# Altium PCB LimeNet-Micro_2v1.PcbDoc (part 5 of 11)
Units mm, origin at the board's own origin, x right, y up, seen from the top; angles counter-clockwise.
Board outline 75 x 143 mm, 6 copper layers (Top, L2, L3, L4, L5, Bottom), stack 1.583 mm thick; 795 components, 565 nets, 3646 pads, 1420 vias.
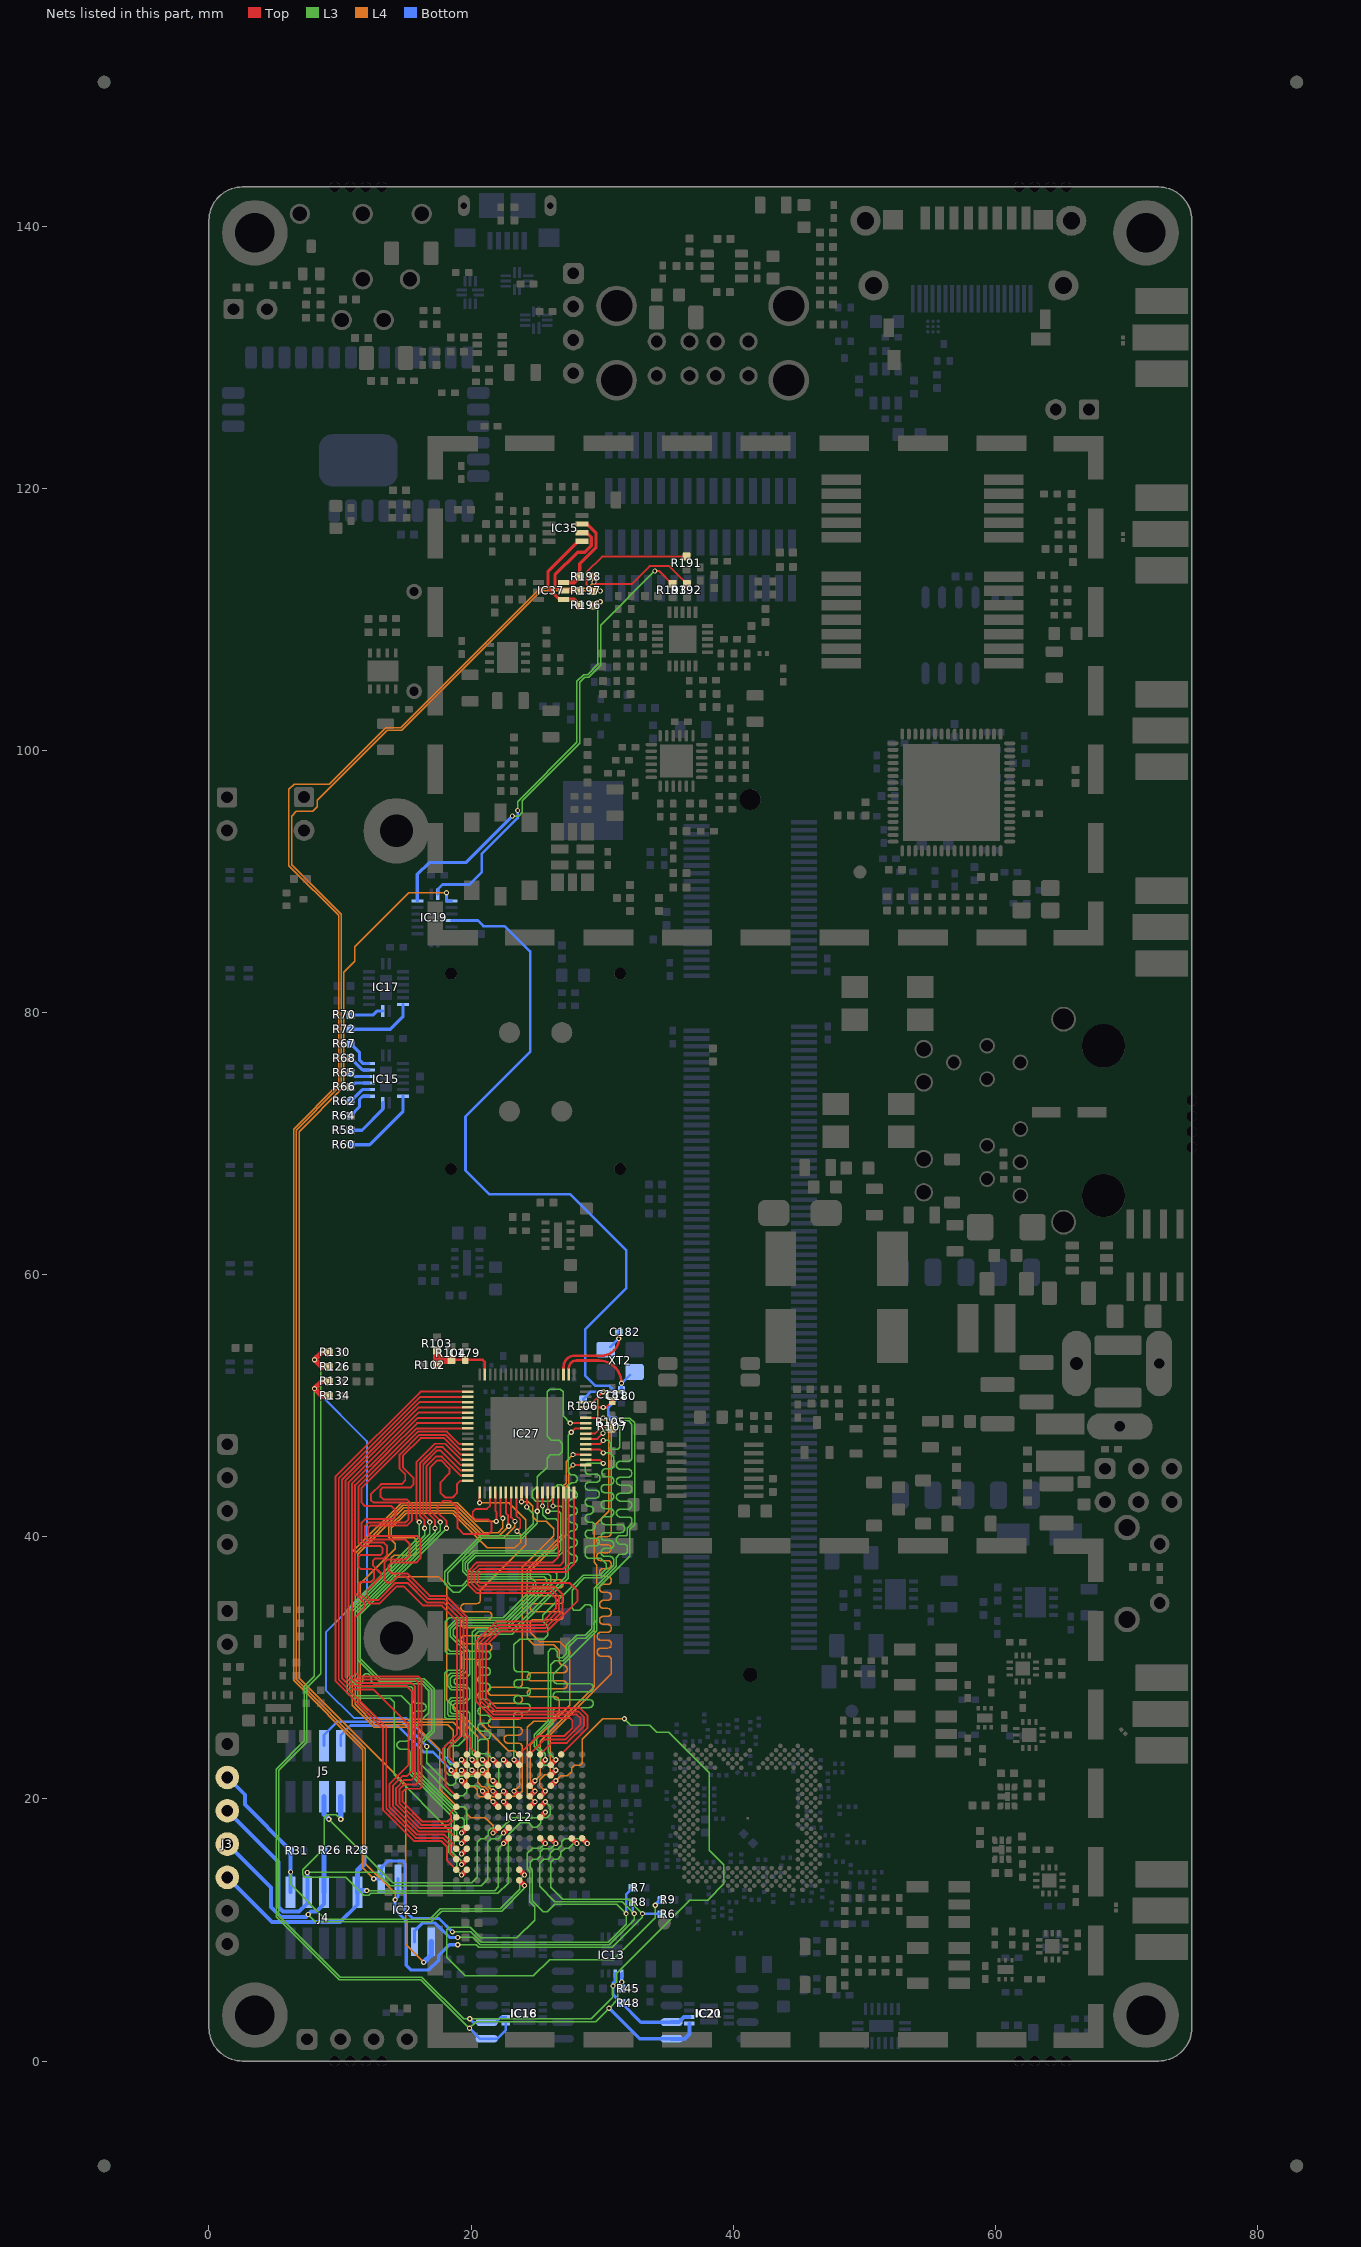
[diagram p9: the nets of this part, all layers, seen from the top]

## Via types
v1: diameter 0.4, hole 0.2, Top to Bottom, tented both sides, 1272 vias
v2: diameter 0.35, hole 0.2, Top to Bottom, tented both sides, 98 vias
v3: diameter 0.5, hole 0.2, Top to Bottom, tented bottom, 25 vias
v4: diameter 0.5, hole 0.2, Top to Bottom, tented both sides, 12 vias
v5: diameter 0.8, hole 0.4, Top to Bottom, tented both sides, 5 vias
v6: diameter 0.4, hole 0.2, Top to Bottom, tented top, 4 vias
v7: diameter 0.4, hole 0.2, Top to Bottom, tented bottom, 4 vias

## Nets (pads, with @x,y where several pads share a name; then routed paths per layer and width w, separated by ;. In a path a pad name is that pad's centre, name@x,y a point inside that pad or via, vN(x,y) a via of type N, cw(c..) or ccw(c..) an arc to the next point about the centre after c; other vN are vias at no path point) (continued)
FPGA_GPIO4: IC12.D11 J5.5 | length 17.3
  Top w0.4: v1(20.872,22.194) IC12.D11@21.272,21.794
  L3 w0.1: v1(16.625,24) 16.625,22.746 18.327,21.044 18.617,21.044 18.822,21.249 18.822,21.447 19.05,21.675 19.058,21.675 19.127,21.744 20.422,21.744 v1(20.872,22.194)
  Bottom w0.2: J5.5@8.775,24.072 8.775,24.875 9.8,25.9 14.725,25.9 v1(16.625,24) v1@16.675,23.95
FPGA_GPIO5: IC12.J7 J5.6 | length 25
  Top w0.4: IC12.J7@25.272,18.594 v1(25.672,18.994)
  L3 w0.1: v1(9.15,18.45) 9.15,18.442 14.009,13.583 20.05,13.583 20.475,14.008 20.475,16.692 20.727,16.944 21.05,16.944 21.322,17.216 21.322,17.539 21.527,17.744 22.31,17.744 23.141,18.575 25.253,18.575 v1(25.672,18.994)
  Bottom w0.4: J5.6@8.775,20.172 8.775,18.825 v1(9.15,18.45)
FPGA_GPIO6: IC12.A11 J5.7 | length 11.5
  Top w0.4: v1(18.472,22.194) IC12.A11@18.872,21.794
  Bottom w0.2: J5.7@10.05,24.072 10.05,24.85 10.8,25.6 14.369,25.6 16.394,23.575 17.091,23.575 v1(18.472,22.194)
FPGA_GPIO7: IC12.J8 J5.8 | length 34.6
  Top w0.4: IC12.J8@25.272,19.394 v1(25.672,19.794)
  L3 w0.1: v1(10.05,18.45) 9.7,18.8 9.005,18.8 8.8,18.595 8.8,16.25 7.15,14.6 7.15,14.208 7.32,14.038 10.437,14.038 11.825,12.65 12.2,12.65 12.35,12.8 22.042,12.8 22.822,13.58 22.822,17.249 23.737,18.164 24.386,18.164 24.706,17.844 25.017,17.844 25.322,18.149 25.322,18.339 25.527,18.544 25.769,18.544 26.05,18.825 26.05,19.416 v1(25.672,19.794)
  Bottom w0.4: v1(10.05,18.45) J5.8@10.05,20.172
FPGA_I2C_SCL: IC12.K10 IC13.2 IC16.6 IC18.6 IC20.6 IC21.6 R48.2 R126.1 R130.1 | length 126.6
  Top w0.4: R126.1@9.15,52.964 8.606,52.964 v1(8.05,53.519) 8.606,54.075 R130.1@9.15,54.075 ; IC12.K10@26.072,20.994 v1(26.472,21.394)
  L3 w0.1: v1(8.05,53.519) 8.519,53.05 8.519,29.544 7.475,28.5 7.475,24.325 5.325,22.175 5.325,11.083 10.008,6.4 16.25,6.4 19.435,3.215 v1(19.89,3.215) 29.157,3.215 30.825,4.883 v1(30.825,5.725) 31.1,6 31.1,6.683 36.692,12.275 38.042,12.275 39.275,13.508 39.275,14.992 38.175,16.092 38.175,22 35.1,25.075 34.175,25.075 33.625,25.625 32.2,25.625 v1(31.7,26.125)
  L4 w0.1: v1(26.472,21.394) 26.828,21.75 27.35,21.75 27.675,22.075 27.675,22.375 27.875,22.575 28.325,22.575 28.475,22.725 28.475,24.55 30.05,26.125 v1(31.7,26.125)
  Bottom w0.2: v1(19.89,3.215) 20.14,2.965 IC18.6@21.2,2.965 21.89,2.965 22.275,3.35 IC16.6@22.65,3.35
  Bottom w0.25: IC13.2@31,6.675 31,6.1 30.825,5.925 v1(30.825,5.725) 30.825,5.1 R48.2@31.5,4.425 32.96,2.965 IC21.6@35.3,2.965
  Bottom w0.3: IC21.6@35.3,2.965 35.861,2.965 36.246,3.35 IC20.6@36.65,3.35
FPGA_I2C_SDA: IC12.B10 IC13.1 IC16.5 IC18.5 IC20.5 IC21.5 R45.2 R132.1 R134.1 | length 129.3
  Top w0.4: R134.1@9.15,50.753 8.606,50.753 v1(8.05,51.308) 8.606,51.864 R132.1@9.15,51.864 ; v1(19.272,21.394) IC12.B10@19.672,20.994
  L3 w0.1: v1(8.05,51.308) 8.05,29.367 7.275,28.592 7.275,24.425 5.125,22.275 5.125,11 9.925,6.2 16.167,6.2 19.867,2.5 v1(19.875,2.5) 20.375,3 29.493,3 v1(30.525,4.032) 31.2,4.707 31.2,5.4 31.5,5.7 v1(31.5,6.025)
  Bottom w0.15: v1(8.05,51.308) 12.05,47.308 12.05,35.855 8.925,32.73 8.925,28.306 11.056,26.175 15.058,26.175 17.014,24.219 17.028,24.219 18.872,22.375 18.872,21.794 v1(19.272,21.394)
  Bottom w0.2: v1(19.875,2.5) 20.68,1.695 IC18.5@21.2,1.695 21.97,1.695 22.65,2.375 IC16.5@22.65,2.85
  Bottom w0.25: v1(30.525,4.032) 32.862,1.695 IC21.5@35.3,1.695 ; R45.2@31.5,5.525 v1(31.5,6.025) IC13.1@31.5,6.675
  Bottom w0.3: IC21.5@35.3,1.695 36.3,1.695 36.65,2.045 IC20.5@36.65,2.85
FPGA_JTAG_TCK: IC12.G2 J3.2 J4.1 R31.1 | length 33.1
  Top w0.4: IC12.G2@23.672,14.594 v1(24.072,14.194)
  L3 w0.1: v1(6.225,14.425) 6.225,13.475 8.875,10.825 16.859,10.825 17.542,11.508 17.659,11.625 22.242,11.625 23.722,13.105 23.722,13.844 v1(24.072,14.194)
  Bottom w0.3: J3.2@1.4,21.636 1.418,21.636 2.735,20.319 2.735,19.565 6.225,16.075 J4.1@6.225,12.878
FPGA_JTAG_TDI: IC12.F5 J3.5 J4.9 R28.1 | length 31.2
  Top w0.4: v1(22.472,16.594) IC12.F5@22.872,16.994
  L3 w0.1: v1(12.032,13.003) 21.803,13.003 22.078,13.278 22.078,16.2 v1(22.472,16.594)
  Bottom w0.3: J3.5@1.4,14.007 4.808,10.599 9.999,10.599 11.325,11.925 J4.9@11.325,12.878
  Bottom w0.4: J4.9@11.325,12.878 J4.9@11.325,13.003 ; R28.1@11.825,16.094 11.825,15.025 11.325,14.525 J4.9@11.325,13.003 ; v1(12.032,13.003) J4.9@11.325,13.003
FPGA_JTAG_TDO: IC12.F6 J3.3 J4.3 | length 33.2
  Top w0.4: v1(22.472,17.394) IC12.F6@22.872,17.794
  L3 w0.1: v1(7.5,14.388) 12.801,14.388 13.813,13.375 20.792,13.375 21.275,13.858 21.275,16.7 21.55,16.975 22.053,16.975 v1(22.472,17.394)
  Bottom w0.3: J3.3@1.4,19.093 5.3,15.193 5.3,11.75 5.651,11.399 6.874,11.399 7.5,12.025 J4.3@7.5,12.878 v1(7.5,14.388)
FPGA_JTAG_TMS: IC12.G1 J3.4 J4.5 R26.1 | length 33.7
  Top w0.2: IC12.G1@23.6,13.722 IC12.G1@23.672,13.794
  Top w0.4: IC12.G1@23.672,13.794 v1(24.072,13.394)
  L3 w0.1: v1(7.575,11.175) 8.125,10.625 16.942,10.625 17.742,11.425 22.325,11.425 24.072,13.172 v1(24.072,13.394)
  Bottom w0.3: J3.4@1.4,16.55 4.725,13.225 4.725,11.759 5.485,10.999 7.399,10.999 v1(7.575,11.175) 7.799,11.399 8.2,11.399 8.775,11.974 J4.5@8.775,12.878
  Bottom w0.4: J4.5@8.775,12.878 R26.1@8.775,16.094
FPGA_LED1_G: IC15.1 R58.2 | length 3.6
  Bottom w0.25: R58.2@10.8,71.025 11.675,71.025 13.259,72.609 IC15.1@13.259,73.125
FPGA_LED1_R: IC15.15 R60.2 | length 6.2
  Bottom w0.25: R60.2@10.8,69.925 12.25,69.925 14.809,72.484 IC15.15@14.809,73.625
FPGA_LED2_G: IC15.3 R62.2 | length 1.8
  Bottom w0.25: R62.2@10.808,73.225 11.708,74.125 IC15.3@12.209,74.125
FPGA_LED2_R: IC15.2 R64.2 | length 2.4
  Bottom w0.25: R64.2@10.8,72.125 11.484,72.809 11.484,73.375 11.734,73.625 IC15.2@12.209,73.625
FPGA_LED3_G: IC15.5 R65.2 | length 1.5
  Bottom w0.25: R65.2@10.808,75.425 11.108,75.125 IC15.5@12.209,75.125
FPGA_LED3_R: IC15.4 R66.2 | length 1.5
  Bottom w0.25: R66.2@10.808,74.325 11.108,74.625 IC15.4@12.209,74.625
FPGA_LED4_G: IC15.7 R67.2 | length 2.4
  Bottom w0.25: R67.2@10.808,77.625 11.492,76.941 11.492,76.375 11.742,76.125 IC15.7@12.217,76.125
FPGA_LED4_R: IC15.6 R68.2 | length 1.8
  Bottom w0.25: R68.2@10.805,76.525 11.705,75.625 IC15.6@12.209,75.625
FPGA_LED5_G: IC17.1 R70.2 | length 2.6
  Bottom w0.25: R70.2@10.808,79.825 12.55,79.825 12.85,80.125 IC17.1@13.258,80.125
FPGA_LED5_R: IC17.15 R72.2 | length 5.3
  Bottom w0.25: R72.2@10.808,78.725 13.825,78.725 14.808,79.708 IC17.15@14.808,80.625
FPGA_SPI_ADF_SS: IC19.15 R193.1 | length 36.5
  Top w0.15: v1(34.025,113.7) 34.338,113.7 35.338,112.7 R193.1@35.363,112.725
  L3 w0.1: v1(23.15,95) 23.62,95 23.9,95.28 23.9,96.169 28.275,100.544 28.275,105.192 28.683,105.6 28.978,105.6 29.875,106.497 29.875,109.55 v1(34.025,113.7)
  Bottom w0.25: IC19.15@15.9,88.525 15.9,90.55 16.8,91.45 19.6,91.45 v1(23.15,95)
FPGA_SPI_DAC_SS: IC19.1 R196.2 | length 29.5
  Top w0.15: R196.2@29.3,111.075 29.575,111.35 v1(29.85,111.35)
  L3 w0.1: v1(23.55,95.425) 23.55,96.101 28.075,100.626 28.075,105.275 28.6,105.8 28.895,105.8 29.675,106.58 29.675,111.175 v1(29.85,111.35)
  Bottom w0.2: IC19.1@17.45,89.025 17.45,89.4 17.825,89.775 19.875,89.775 20.8,90.7 20.8,92.084 23.55,94.834 v1(23.55,95.425)
FPGA_SPI_DAC_SS_R: IC35.5 IC37.1 R196.1 | length 7.8
  Top w0.25: IC37.1@27.05,111.525 26.725,111.525 25.875,112.375 25.875,113.675 28.175,115.975 IC35.5@28.45,115.975
  Top w0.3: IC37.1@27.05,111.525 27.85,111.525 R196.1@28.3,111.075
FPGA_SPI_FLASH_SS: IC19.2 IC23.1 | length 94.7
  L4 w0.1: v1(16.375,7.525) 15,8.9 15,21.069 6.875,29.194 6.875,70.909 10.3,74.334 10.3,83.068 11.132,83.9 11.132,85.032 15.25,89.15 v1(18.125,89.15)
  Bottom w0.25: v1(18.125,89.15) 18.125,88.525 IC19.2@18.5,88.525
  Bottom w0.4: v1(16.375,7.525) 16.955,8.105 IC23.1@16.955,9.1
FPGA_SPI_LMS_SS: IC12.J5 R9.2 | length 37.3
  Top w0.4: IC12.J5@25.272,16.994 v1(25.672,16.594)
  L3 w0.1: v1(25.672,16.594) 25.611,16.594 25.261,16.244 24.694,16.244 24.3,15.85 24.3,14.654 24.472,14.482 24.472,12.15 24.855,11.768 24.855,10.755 23.5,9.4 20.725,9.4 19.925,10.2 18.3,10.2 18.125,10.025 18.125,7.925 19.555,6.495 24.753,6.495 25.983,7.725 30.841,7.725 34.05,10.934 v1(34.05,11.894)
  Bottom w0.3: v1(34.05,11.894) 34.455,12.299 R9.2@34.532,12.299
FPGA_SPI_MISO: IC12.N5 IC23.2 R8.2 | length 36
  Top w0.4: IC12.N5@28.472,16.994 v1(28.872,16.594)
  L3 w0.1: v1(18.975,9.425) 20.134,9.425 20.684,8.875 30.547,8.875 32.45,10.778 v1(32.45,11.25) 31.55,12.15 26.4,12.15 25.225,13.325 25.225,15.1 25.525,15.4 25.875,15.4 26.05,15.575 26.05,15.867 26.327,16.144 26.619,16.144 26.922,16.447 26.922,16.739 27.158,16.975 28.491,16.975 v1(28.872,16.594)
  Bottom w0.2: R8.2@32.331,12.105 32.331,11.369 v1(32.45,11.25)
  Bottom w0.25: IC23.2@15.685,9.1 15.685,9.932 16.278,10.525 17.275,10.525 18.375,9.425 v1(18.975,9.425)
FPGA_SPI_MOSI: IC12.K5 IC23.5 R7.2 R192.1 R198.2 | length 170.2
  Top w0.15: R198.2@29.3,113.275 29.3,112.925 v1(29.375,112.85) 29.525,112.7 32.254,112.7 33.629,114.075 35.113,114.075 R192.1@36.463,112.725 R192.1@36.563,112.725
  Top w0.4: IC12.K5@26.072,16.994 v1(26.472,16.594)
  L3 w0.1: v1(18.576,9.85) 19.992,9.85 20.767,9.075 30.464,9.075 31.825,10.436 v1(31.825,11.25) 31.125,11.95 26.375,11.95 25.825,11.4 25.505,11.4 24.672,12.233 24.672,14.565 24.5,14.736 24.5,15.175 24.725,15.4 25.05,15.4 25.275,15.625 25.275,15.975 25.5,16.2 26.078,16.2 v1(26.472,16.594)
  L4 w0.1: v1(12.575,13.9) 11.735,14.74 11.735,23.758 6.45,29.042 6.45,71.108 9.9,74.558 9.9,87.417 6.1,91.217 6.1,97.034 6.491,97.425 9.175,97.425 13.5,101.75 14.642,101.75 25.267,112.375 28.9,112.375 v1(29.375,112.85)
  Bottom w0.2: v1(31.825,11.25) 31.825,12.722 R7.2@32.322,13.219
  Bottom w0.25: v1(12.575,13.9) IC23.5@13.145,13.9 13.145,14.743 13.669,15.267 14.775,15.267 14.975,15.067 14.975,11.434 15.534,10.875 17.551,10.875 v1(18.576,9.85)
FPGA_SPI_MOSI_R: IC35.7 IC37.3 R198.1 | length 6.6
  Top w0.25: R198.1@28.3,113.275 28.3,114.255 29.525,115.48 29.525,116.62 28.87,117.275 IC35.7@28.45,117.275
  Top w0.3: IC37.3@27.05,112.825 27.85,112.825 R198.1@28.3,113.275
FPGA_SPI_SCLK: IC12.M5 IC23.6 R6.2 R191.1 R197.2 | length 172.2
  Top w0.15: v1@29.9,112.225 v1(29.85,112.175) R197.2@29.3,112.175 28.8,112.675 28.8,113.6 30,114.8 R191.1@36.45,114.8
  Top w0.4: IC12.M5@27.672,16.994 v1(28.072,16.594)
  L3 w0.1: v1(18.975,8.875) 20.401,8.875 20.601,8.675 30.775,8.675 33.075,10.975 v1(33.075,11.25) 31.975,12.35 26.975,12.35 26.075,13.25 26.075,15.175 26.3,15.4 26.595,15.4 26.85,15.655 26.85,15.925 27.169,16.244 27.444,16.244 27.794,16.594 v1(28.072,16.594)
  L4 w0.1: v1(14.2,12.299) 14.2,12.8 11.935,15.065 11.935,23.84 6.65,29.125 6.65,71.025 9.763,74.137 10.1,74.475 10.1,87.5 6.3,91.3 6.3,95 6.675,95.375 7.9,95.375 8.25,95.725 8.25,96.2 13.6,101.55 14.725,101.55 25.35,112.175 v1(29.85,112.175)
  Bottom w0.2: v1(33.075,11.25) 34.481,11.25 R6.2@34.532,11.199
  Bottom w0.25: IC23.6@14.415,13.9 14.415,12.514 v1(14.2,12.299) 14.2,11.534 15.05,10.684 15.05,7.3 15.4,6.95 16.775,6.95 17.525,7.7 17.525,8.05 18.35,8.875 v1(18.975,8.875)
FPGA_SPI_SCLK_R: IC35.6 IC37.2 R197.1 | length 8.1
  Top w0.25: IC37.2@27.05,112.175 26.75,112.175 26.4,112.525 26.4,113.4 28.125,115.125 28.675,115.125 29.175,115.625 29.175,116.268 28.818,116.625 IC35.6@28.45,116.625
  Top w0.3: IC37.2@27.05,112.175 R197.1@28.3,112.175
FT_BE0: IC12.H9 IC27.4 | length 45
  Top w0.15: v1(27.775,45.475) IC27.4@28.75,45.475
  Top w0.4: IC12.H9@24.472,20.194 v1(24.872,20.594)
  L4 w0.1: v1(24.872,20.594) 24.5,20.966 24.5,24.117 27.525,27.142 27.525,31.225 26.775,31.975 25.225,31.975 24.5,32.7 24.5,33 24.5,33.073 24.5,33.377 cw(c24.804,33.377) 24.804,33.681 26.736,33.681 ccw(c26.736,33.985) 27.04,33.985 ccw(c26.736,33.985) 26.736,34.289 24.804,34.289 cw(c24.804,34.593) 24.5,34.593 cw(c24.804,34.593) 24.804,34.897 26.736,34.897 ccw(c26.736,35.201) 27.04,35.201 ccw(c26.736,35.201) 26.736,35.505 24.804,35.505 cw(c24.804,35.809) 24.5,35.809 cw(c24.804,35.809) 24.804,36.113 26.736,36.113 ccw(c26.736,36.417) 27.04,36.417 ccw(c26.736,36.417) 26.736,36.721 24.804,36.721 cw(c24.804,37.025) 24.5,37.025 24.5,37.409 27.228,40.137 27.228,43.799 27.446,44.017 27.446,45.146 v1(27.775,45.475)
FT_BE1: IC12.G12 IC27.5 | length 44.9
  Top w0.15: IC27.5@28.75,45.875 29.8,45.875 v1(30.075,45.6)
  Top w0.4: v1(23.272,22.994) IC12.G12@23.672,22.594
  L3 w0.1: v1(23.272,22.994) 23.272,25.75 23.272,26.054 23.272,26.358 cw(c23.576,26.358) 23.576,26.662 24.221,26.662 ccw(c24.221,26.966) 24.525,26.966 ccw(c24.221,26.966) 24.221,27.27 23.576,27.27 cw(c23.576,27.574) 23.272,27.574 cw(c23.576,27.574) 23.576,27.878 24.221,27.878 ccw(c24.221,28.182) 24.525,28.182 ccw(c24.221,28.182) 24.221,28.486 23.576,28.486 cw(c23.576,28.79) 23.272,28.79 cw(c23.576,28.79) 23.576,29.094 24.221,29.094 ccw(c24.221,29.398) 24.525,29.398 ccw(c24.221,29.398) 24.221,29.702 23.576,29.702 cw(c23.576,30.006) 23.272,30.006 23.272,30.025 23.272,31.747 23.7,32.175 25.55,32.175 25.858,32.483 25.858,33.175 25.481,33.552 25.481,33.998 28.558,37.075 29.812,37.075 30.3,37.563 30.3,37.947 29.897,38.35 28.916,38.35 28.7,38.566 28.7,38.995 cw(c29.004,38.995) 29.004,39.299 29.479,39.299 ccw(c29.479,39.603) 29.783,39.603 ccw(c29.479,39.603) 29.479,39.907 29.004,39.907 cw(c29.004,40.211) 28.7,40.211 cw(c29.004,40.211) 29.004,40.515 29.157,40.515 ccw(c29.157,40.819) 29.461,40.819 ccw(c29.157,40.819) 29.157,41.123 29.004,41.123 cw(c29.004,41.427) 28.7,41.427 cw(c29.004,41.427) 29.004,41.731 29.037,41.731 ccw(c29.037,42.035) 29.341,42.035 ccw(c29.037,42.035) 29.037,42.339 29.004,42.339 cw(c29.004,42.643) 28.7,42.643 cw(c29.004,42.643) 29.004,42.947 29.479,42.947 ccw(c29.479,43.251) 29.783,43.251 ccw(c29.479,43.251) 29.479,43.555 29.004,43.555 cw(c29.004,43.859) 28.7,43.859 cw(c29.004,43.859) 29.004,44.163 29.535,44.163 ccw(c29.535,44.467) 29.839,44.467 ccw(c29.535,44.467) 29.535,44.771 29.004,44.771 cw(c29.004,45.075) 28.7,45.075 28.7,45.425 28.875,45.6 v1(30.075,45.6)
FT_BE2: IC12.H8 IC27.6 | length 44.1
  Top w0.15: v1(27.775,46.275) IC27.6@28.75,46.275
  Top w0.4: IC12.H8@24.472,19.394 v1(24.872,19.794)
  L4 w0.1: v1(24.872,19.794) 24.3,20.366 24.3,25.45 24.775,25.925 26.025,25.925 26.718,26.618 26.718,27.225 26.718,27.485 ccw(c26.414,27.485) 26.414,27.789 24.604,27.789 cw(c24.604,28.093) 24.3,28.093 cw(c24.604,28.093) 24.604,28.397 26.718,28.397 27.021,28.397 ccw(c27.021,28.701) 27.325,28.701 ccw(c27.021,28.701) 27.021,29.005 26.718,29.005 24.604,29.005 cw(c24.604,29.309) 24.3,29.309 cw(c24.604,29.309) 24.604,29.613 26.718,29.613 27.021,29.613 ccw(c27.021,29.917) 27.325,29.917 ccw(c27.021,29.917) 27.021,30.221 cw(c27.021,30.525) 26.718,30.525 ; 26.718,30.525 26.718,31.35 26.293,31.775 24.775,31.775 24.3,32.25 24.3,37.492 27.028,40.22 27.028,43.882 27.246,44.1 27.246,45.746 v1(27.775,46.275)
FT_BE3: IC12.K11 IC27.7 | length 45.8
  Top w0.15: IC27.7@28.75,46.675 29.8,46.675 v1(30.075,46.4)
  Top w0.4: IC12.K11@26.072,21.794 v1(26.472,22.194)
  L3 w0.1: v1(26.472,22.194) 26.091,22.575 25.596,22.575 25.322,22.849 25.322,23.503 24.8,24.025 24.8,24.883 25.872,25.955 25.872,31.247 26.075,31.45 26.372,31.45 26.575,31.247 26.575,30.859 26.675,30.759 26.968,30.759 27.267,31.058 27.267,31.709 28.058,32.5 28.709,32.5 29.204,32.995 29.204,34.675 29.054,34.825 28.697,34.825 28.272,34.4 27.833,34.4 27.7,34.533 27.7,35.934 28.641,36.875 29.923,36.875 30.35,37.302 30.883,37.834 30.883,38.2 ccw(c30.579,38.2) 30.579,38.504 30.223,38.504 cw(c30.223,38.808) 29.919,38.808 cw(c30.223,38.808) 30.223,39.112 30.579,39.112 ccw(c30.579,39.416) 30.883,39.416 ccw(c30.579,39.416) 30.579,39.72 30.223,39.72 cw(c30.223,40.024) 29.919,40.024 cw(c30.223,40.024) 30.223,40.328 30.883,40.328 31.421,40.328 ccw(c31.421,40.632) 31.725,40.632 ccw(c31.421,40.632) 31.421,40.936 30.883,40.936 30.223,40.936 cw(c30.223,41.24) 29.919,41.24 cw(c30.223,41.24) 30.223,41.544 30.579,41.544 ccw(c30.579,41.848) 30.883,41.848 ccw(c30.579,41.848) 30.579,42.152 30.223,42.152 cw(c30.223,42.456) 29.919,42.456 cw(c30.223,42.456) 30.223,42.76 30.579,42.76 ccw(c30.579,43.064) 30.883,43.064 ccw(c30.579,43.064) 30.579,43.368 30.223,43.368 cw(c30.223,43.672) 29.919,43.672 cw(c30.223,43.672) 30.223,43.976 30.579,43.976 ccw(c30.579,44.28) 30.883,44.28 ccw(c30.579,44.28) 30.579,44.584 30.279,44.584 cw(c30.279,44.888) 29.975,44.888 cw(c30.279,44.888) 30.279,45.192 30.579,45.192 ccw(c30.579,45.496) 30.883,45.496 30.883,45.675 30.883,46.092 30.575,46.4 v1(30.075,46.4)
FT_CLK: IC12.G9 IC27.58 | length 44.2
  Top w0.15: v1(20.65,42.6) IC27.58@20.65,43.375
  Top w0.4: v1(23.272,20.594) IC12.G9@23.672,20.194
  L4 w0.1: v1(20.65,42.6) 22.875,42.6 24.175,41.3 24.175,39.4 20.7,35.925 20.7,35.201 cw(c20.396,35.201) 20.396,34.897 19.525,34.897 ccw(c19.525,34.593) 19.221,34.593 ccw(c19.525,34.593) 19.525,34.289 20.7,34.289 21.271,34.289 cw(c21.271,33.985) 21.575,33.985 cw(c21.271,33.985) 21.271,33.681 20.7,33.681 19.525,33.681 ccw(c19.525,33.377) 19.221,33.377 ccw(c19.525,33.377) 19.525,33.073 20.7,33.073 21.271,33.073 cw(c21.271,32.769) 21.575,32.769 cw(c21.271,32.769) 21.271,32.465 20.7,32.465 19.525,32.465 ccw(c19.525,32.161) 19.221,32.161 ccw(c19.525,32.161) 19.525,31.857 20.7,31.857 21.271,31.857 cw(c21.271,31.553) 21.575,31.553 cw(c21.271,31.553) 21.271,31.249 20.7,31.249 19.525,31.249 ccw(c19.525,30.945) 19.221,30.945 ccw(c19.525,30.945) 19.525,30.641 20.396,30.641 cw(c20.396,30.337) 20.7,30.337 20.7,30.15 20.7,25.825 22.85,23.675 23.325,23.675 23.7,23.3 23.7,21.022 v1(23.272,20.594)
FT_D0: IC12.A2 IC27.40 | length 47.8
  Top w0.15: IC12.A2@18.872,14.594 18.15,15.316 18.15,16.368 17.743,16.775 15.665,16.775 13.275,19.165 13.275,25.375 9.65,29 9.65,44.571 16.154,51.075 IC27.40@19.75,51.075
FT_D1: IC12.A3 IC27.41 | length 46.4
  Top w0.15: IC12.A3@18.872,15.394 18.4,15.866 18.4,16.471 17.846,17.025 15.769,17.025 13.525,19.269 13.525,25.479 9.9,29.104 9.9,44.468 16.107,50.675 IC27.41@19.75,50.675
FT_D2: IC12.A4 IC27.42 | length 47.1
  Top w0.15: IC12.A4@18.872,16.194 18.65,16.416 18.65,16.575 17.95,17.275 15.872,17.275 13.775,19.372 13.775,21.144 15.225,22.594 15.225,25.65 12.525,28.35 11.011,28.35 10.15,29.211 10.15,44.364 16.061,50.275 IC27.42@19.75,50.275
FT_D3: IC12.A5 IC27.43 | length 47.6
  Top w0.15: IC12.A5@18.872,16.994 18.341,17.525 15.976,17.525 14.025,19.476 14.025,21 14.775,21.75 15.12,21.75 15.475,22.105 15.475,28.225 15.1,28.6 11.114,28.6 10.4,29.314 10.4,44.261 16.014,49.875 IC27.43@19.75,49.875
FT_D4: IC12.A6 IC27.44 | length 46.7
  Top w0.15: IC12.A6@18.872,17.794 18.872,17.775 16.079,17.775 14.275,19.579 14.275,20.829 14.871,21.425 15.416,21.425 15.725,21.734 15.725,28.575 15.45,28.85 11.218,28.85 10.65,29.418 10.65,44.157 15.968,49.475 IC27.44@19.75,49.475
FT_D5: IC12.A7 IC27.45 | length 46.4
  Top w0.15: IC12.A7@18.872,18.594 18.303,18.025 16.183,18.025 14.525,19.683 14.525,20.725 14.9,21.1 15.775,21.1 15.975,21.3 15.975,28.854 15.729,29.1 11.321,29.1 10.9,29.521 10.9,43.211 10.9,44.039 13.55,46.689 13.55,46.704 15.921,49.075 IC27.45@19.75,49.075
FT_D6: IC12.A8 IC27.46 | length 46.7
  Top w0.15: IC12.A8@18.872,19.394 18.447,18.969 18.447,18.522 18.2,18.275 16.286,18.275 14.775,19.786 14.775,20.55 15,20.775 16.073,20.775 16.225,20.927 16.225,29.075 15.95,29.35 11.425,29.35 11.15,29.625 11.15,33.85 11.85,34.55 11.85,34.975 11.15,35.675 11.15,43.107 11.15,43.936 13.8,46.586 13.8,46.6 15.875,48.675 IC27.46@19.75,48.675
FT_D7: IC12.A9 IC27.47 | length 47.1
  Top w0.15: IC12.A9@18.872,20.194 18.05,21.016 18.05,22.725 17.841,22.934 17.841,23.821 18.922,24.902 18.922,33.603 17.775,34.75 16.35,34.75 14.875,36.225 14.325,36.225 13.025,34.925 12.254,34.925 11.4,35.779 11.4,36.375 11.575,36.55 12.35,36.55 12.575,36.775 12.575,37.35 12.375,37.55 11.575,37.55 11.4,37.725 11.4,38.425 11.575,38.6 13.075,38.6 13.225,38.75 13.225,39.15 13.075,39.3 11.65,39.3 11.4,39.55 11.4,43.832 15.843,48.275 IC27.47@19.75,48.275
FT_D8: IC12.A12 IC27.50 | length 46.9
  Top w0.15: IC12.A12@18.872,22.594 18.872,22.643 18.341,23.174 18.341,23.967 19.172,24.799 19.172,33.707 17.879,35 16.633,35 15.158,36.475 14.221,36.475 12.921,35.175 12.357,35.175 12.075,35.457 12.075,35.921 13.125,36.971 13.125,37.2 12.5,37.825 12.5,38.175 12.675,38.35 13.35,38.35 13.575,38.575 13.575,39.325 13.35,39.55 11.81,39.55 11.65,39.71 11.65,41.075 11.925,41.35 13.975,41.35 14.221,41.596 14.221,42.05 13.921,42.35 11.9,42.35 11.65,42.6 11.65,43.729 15.946,48.025 18.15,48.025 19.1,47.075 IC27.50@19.75,47.075
FT_D9: IC12.B13 IC27.51 | length 46.5
  Top w0.15: IC12.B13@19.672,23.394 19.672,24.525 19.422,24.775 19.422,33.81 17.982,35.25 16.736,35.25 15.032,36.954 14.347,36.954 13.893,36.5 13.589,36.5 13.4,36.689 13.4,38.046 13.629,38.275 15.025,38.275 15.3,38.55 15.3,39.457 14.957,39.8 12.075,39.8 11.9,39.975 11.9,40.8 12.2,41.1 14.995,41.1 15.225,41.33 15.225,42.375 15,42.6 12.557,42.6 12.357,42.8 12.357,43.254 13.129,44.025 14.7,44.025 14.975,44.3 14.975,44.775 14.55,45.2 14.55,46.275 16.05,47.775 18.046,47.775 19.146,46.675 IC27.51@19.75,46.675
FT_D10: IC12.C13 IC27.52 | length 46.6
  Top w0.15: IC27.52@19.75,46.275 19.193,46.275 17.943,47.525 16.154,47.525 14.8,46.171 14.8,45.304 15.6,44.504 15.6,43.975 15.4,43.775 13.275,43.775 13.1,43.6 13.1,43.05 13.3,42.85 15.104,42.85 15.475,42.479 15.475,41.227 15.098,40.85 12.304,40.85 12.15,40.696 12.15,40.225 12.325,40.05 15.9,40.05 16.125,39.825 16.125,38.35 15.8,38.025 13.9,38.025 13.7,37.825 13.7,37.425 13.921,37.204 15.136,37.204 16.84,35.5 18.086,35.5 19.672,33.914 19.672,24.879 19.922,24.629 19.922,23.944 IC12.C13@20.472,23.394
FT_D11: IC12.B2 IC27.53 | length 44.7
  Top w0.15: v1(16.05,41.125) 15.85,41.325 15.85,45.725 17.225,47.1 18.014,47.1 19.239,45.875 IC27.53@19.75,45.875
  Top w0.4: v1(19.272,14.194) IC12.B2@19.672,14.594
  L3 w0.1: v1(16.05,41.125) 16.05,39.989 10.55,34.489 10.55,34.05 10.549,34.049 10.549,28.675 10.55,28.674 10.55,28.117 10.992,27.675 13.825,27.675 14.119,27.381 14.119,21.836 18.291,17.664 18.291,15.944 18.922,15.312 18.922,14.544 v1(19.272,14.194)
FT_D12: IC12.B3 IC27.54 | length 45.6
  Top w0.15: v1(16.45,40.65) 16.45,41.255 16.1,41.605 16.1,45.621 17.329,46.85 17.851,46.85 19.226,45.475 IC27.54@19.75,45.475
  Top w0.4: v1(19.272,14.994) IC12.B3@19.672,15.394
  L3 w0.1: v1(16.45,40.65) 16.45,40.106 10.75,34.406 10.75,33.967 10.749,33.966 10.749,29.25 10.75,29.249 10.75,28.2 11.075,27.875 14.675,27.875 15.352,27.198 15.352,26.325 15.352,24.716 cw(c15.048,24.716) 15.048,24.412 14.64,24.412 ccw(c14.64,24.108) 14.336,24.108 ccw(c14.64,24.108) 14.64,23.804 15.048,23.804 cw(c15.048,23.5) 15.352,23.5 15.352,21.875 18.5,18.726 18.5,16.017 19.272,15.245 v1(19.272,14.994)
FT_D13: IC12.B4 IC27.55 | length 44.8
  Top w0.15: v1(16.85,41.125) 16.85,41.209 16.35,41.709 16.35,45.518 17.432,46.6 17.654,46.6 19.179,45.075 IC27.55@19.75,45.075
  Top w0.4: v1(19.272,15.794) IC12.B4@19.672,16.194
  L3 w0.1: v1(16.85,41.125) 16.85,40.224 10.95,34.324 10.95,33.884 10.949,33.883 10.949,29.95 10.95,29.949 10.95,28.992 11.367,28.575 15.439,28.575 15.552,28.462 15.552,27.625 15.552,27.599 ccw(c15.856,27.599) 15.856,27.295 16.264,27.295 cw(c16.264,26.991) 16.568,26.991 cw(c16.264,26.991) 16.264,26.687 15.856,26.687 ccw(c15.856,26.383) 15.552,26.383 15.552,26.079 15.552,25.775 15.552,21.957 18.7,18.809 18.7,16.366 v1(19.272,15.794)
FT_D14: IC12.B5 IC27.56 | length 45.1
  Top w0.15: v1(17.25,40.65) 17.25,41.255 16.6,41.905 16.6,45.414 17.311,46.125 17.776,46.125 19.226,44.675 IC27.56@19.75,44.675
  Top w0.4: v1(19.272,16.594) IC12.B5@19.672,16.994
  L3 w0.1: v1(17.25,40.65) 17.25,40.341 11.15,34.241 11.15,33.801 11.149,33.8 11.149,31.05 11.15,31.048 11.15,29.075 11.45,28.775 11.6,28.775 11.75,28.925 11.75,29.375 11.919,29.544 12.14,29.544 12.375,29.309 12.375,28.975 12.575,28.775 16.266,28.775 16.784,28.257 16.784,26.562 15.752,25.53 15.752,22.04 18.9,18.892 18.9,18.708 19.058,18.55 19.307,18.55 19.475,18.382 19.475,18 19.325,17.85 19.05,17.85 18.9,17.7 18.9,16.966 v1(19.272,16.594)
FT_D15: IC12.B6 IC27.57 | length 45.6
  Top w0.15: v1(17.65,41.125) 17.65,41.209 16.85,42.009 16.85,45.275 17.4,45.825 17.722,45.825 18.349,45.199 18.349,44.838 17.65,44.139 17.65,43.364 18.014,43 18.597,43 18.922,43.325 18.922,44.022 19.175,44.275 IC27.57@19.75,44.275
  Top w0.4: v1(19.272,17.394) IC12.B6@19.672,17.794
  L3 w0.1: v1(17.65,41.125) 17.65,40.458 11.35,34.158 11.35,30.617 12.992,28.975 16.349,28.975 17.001,28.323 17.001,25.251 15.952,24.202 15.952,22.123 18.686,19.389 19.475,19.389 19.675,19.189 19.675,17.797 v1(19.272,17.394)
FT_D16: IC12.D9 IC27.60 | length 45.9
  Top w0.15: v1(18.125,40.65) 18.125,41.18 17.425,41.88 17.425,42.3 17.875,42.75 18.422,42.75 18.975,42.197 18.975,40.675 19.45,40.2 21.325,40.2 21.55,40.425 21.55,41.1 21.325,41.325 20.325,41.325 20.125,41.525 20.125,41.9 20.35,42.125 21.2,42.125 21.45,42.375 IC27.60@21.45,43.375
  Top w0.4: v1(20.872,20.594) IC12.D9@21.272,20.194
  L3 w0.1: v1(18.125,40.65) 11.55,34.075 11.55,30.7 13.075,29.175 16.432,29.175 17.201,28.406 17.201,25.168 16.152,24.119 16.152,22.632 18.541,20.244 19.417,20.244 19.648,20.475 19.65,20.475 19.65,20.75 19.9,21 20.466,21 v1(20.872,20.594)
FT_D17: IC12.E6 IC27.61 | length 44.6
  Top w0.15: IC27.61@21.85,43.375 21.85,41.975 21.925,41.9 v1(21.925,41.175)
  Top w0.4: v1(21.672,17.394) IC12.E6@22.072,17.794
  L4 w0.1: v1(21.672,17.394) 21.672,17.953 21.075,18.55 19.978,18.55 19.622,18.906 19.622,19.178 19.4,19.4 18.95,19.4 17.6,20.75 17.6,23.75 15.884,25.466 12.618,25.466 10.95,27.134 10.95,38.841 14.709,42.6 18.933,42.6 20.358,41.175 v1(21.925,41.175)
FT_D18: IC12.E8 IC27.62 | length 44.5
  Top w0.15: IC27.62@22.25,43.375 22.25,41.6 v1(22.425,41.425)
  Top w0.4: v1(21.672,19.794) IC12.E8@22.072,19.394
  L4 w0.1: v1(21.672,19.794) 21.313,20.153 20.622,20.153 20.475,20.3 20.475,20.713 20.244,20.944 19.927,20.944 19.675,21.196 19.675,21.586 19.464,21.797 19.125,21.797 18.875,22.047 18.875,22.575 18.85,22.6 18.625,22.825 18.625,25.25 18.209,25.666 12.701,25.666 11.15,27.217 11.15,38.758 14.792,42.4 18.85,42.4 20.947,40.303 22.053,40.303 22.425,40.675 v1(22.425,41.425)
FT_D19: IC12.F9 IC27.63 | length 45
  Top w0.15: IC27.63@22.65,43.375 22.65,41.8 22.8,41.65 22.8,40.875 v1(22.875,40.8)
  Top w0.4: v1(22.472,20.594) IC12.F9@22.872,20.194
  L4 w0.1: v1(22.472,20.594) 22.028,20.15 21.621,20.15 21.322,20.449 21.322,20.661 21.039,20.944 20.827,20.944 20.5,21.271 20.5,21.65 20.306,21.844 19.927,21.844 19.722,22.049 19.722,24.778 18.634,25.866 12.784,25.866 11.35,27.3 11.35,38.675 13.525,40.85 14.875,42.2 18.767,42.2 20.892,40.075 22.15,40.075 v1(22.875,40.8)
FT_D20: IC12.E9 IC27.64 | length 44.2
  Top w0.15: IC27.64@23.05,43.375 23.05,41.475 v1(23.35,41.175)
  Top w0.4: v1(21.672,20.594) IC12.E9@22.072,20.194
  L4 w0.1: v1(21.672,20.594) 21.322,20.944 21.322,21.461 21.091,21.692 21.091,21.696 20.943,21.844 20.727,21.844 20.522,22.049 20.522,24.728 19.184,26.066 12.866,26.066 11.55,27.383 11.55,36.425 14.225,39.1 14.225,39.475 13.725,39.975 13.725,40.767 14.958,42 18.684,42 20.809,39.875 22.442,39.875 23.017,40.45 23.02,40.45 23.225,40.655 23.225,40.658 23.35,40.783 v1(23.35,41.175)
FT_D21: IC12.E10 IC27.65 | length 44
  Top w0.15: IC27.65@23.45,43.375 23.45,41.622 23.75,41.322 23.75,40.675 v1(23.5,40.425)
  Top w0.4: v1(21.672,21.394) IC12.E10@22.072,20.994
  L4 w0.1: v1(21.672,21.394) 21.291,21.775 21.291,24.419 18.15,27.559 18.15,36.325 17.521,36.954 14.296,36.954 13.925,37.325 13.925,38.388 14.137,38.6 15.675,38.6 15.825,38.75 15.825,39.75 15.65,39.925 14.075,39.925 13.925,40.075 13.925,40.684 15.041,41.8 18.601,41.8 21.226,39.175 23.35,39.175 23.775,39.6 23.775,40.15 v1(23.5,40.425)
FT_D22: IC12.F8 IC27.66 | length 44.2
  Top w0.15: v1(23.85,42.675) IC27.66@23.85,43.375
  Top w0.4: v1(22.472,19.794) IC12.F8@22.872,19.394
  L4 w0.1: v1(22.472,19.794) 22.872,20.194 23.494,20.194 23.9,20.6 23.9,23.95 ccw(c23.596,23.95) 23.596,24.254 22.816,24.254 cw(c22.816,24.558) 22.512,24.558 cw(c22.816,24.558) 22.816,24.862 23.596,24.862 ccw(c23.596,25.166) 23.9,25.166 ccw(c23.596,25.166) 23.596,25.47 21.6,25.47 cw(c21.6,25.774) 21.296,25.774 cw(c21.6,25.774) 21.6,26.078 23.596,26.078 ccw(c23.596,26.382) 23.9,26.382 ccw(c23.596,26.382) 23.596,26.686 21.59,26.686 cw(c21.59,26.99) 21.286,26.99 cw(c21.59,26.99) 21.59,27.294 23.596,27.294 ccw(c23.596,27.598) 23.9,27.598 ccw(c23.596,27.598) 23.596,27.902 21.59,27.902 cw(c21.59,28.206) 21.286,28.206 cw(c21.59,28.206) 21.59,28.51 23.596,28.51 ccw(c23.596,28.814) 23.9,28.814 23.9,29.15 23.9,37.658 26.325,40.083 26.325,40.6 25.75,41.175 25.05,41.175 24.7,41.525 24.7,42.32 24.345,42.675 v1(23.85,42.675)
FT_D23: IC12.B11 IC27.67 | length 44.8
  Top w0.15: v1(24.25,42.275) IC27.67@24.25,43.375
  Top w0.4: v1(19.272,22.194) IC12.B11@19.672,21.794
  L3 w0.1: v1(19.272,22.194) 18.878,21.8 18.349,21.8 18.001,22.148 18.001,24.001 18.275,24.275 18.77,24.275 19.3,24.805 19.3,25.89 19.087,26.103 18.147,26.103 18.001,26.249 18.001,29.601 18.2,29.8 19.1,29.8 19.275,29.975 19.275,30.9 19.1,31.075 18.225,31.075 18.025,31.275 18.025,33.525 18.325,33.825 22.467,33.825 24.737,36.095 24.737,36.457 24.644,36.55 19.875,36.55 19.1,35.775 18.656,35.775 18.001,36.43 18.001,37.332 20.744,40.075 23.826,40.075 24.75,40.999 24.75,41.755 24.25,42.255 v1(24.25,42.275)
FT_D24: IC12.B12 IC27.69 | length 44.9
  Top w0.15: v1(25.05,41.95) IC27.69@25.05,43.375
  Top w0.4: v1(19.272,22.994) IC12.B12@19.672,22.594
  L3 w0.1: v1(19.272,22.994) 18.895,22.617 18.45,22.617 18.201,22.867 18.201,23.801 18.475,24.075 19.025,24.075 19.5,24.55 19.5,25.973 19.17,26.303 18.344,26.303 18.201,26.446 18.201,27.408 18.493,27.7 19.275,27.7 19.4,27.825 19.4,28.2 19.275,28.325 18.493,28.325 18.201,28.617 18.201,29.351 18.45,29.6 19.183,29.6 19.475,29.892 19.475,31.083 19.283,31.275 18.425,31.275 18.225,31.475 18.225,33.067 18.783,33.625 22.55,33.625 24.937,36.012 24.937,36.54 24.727,36.75 19.792,36.75 19.317,36.275 18.439,36.275 18.201,36.513 18.201,37.249 20.826,39.875 23.909,39.875 25.05,41.016 v1(25.05,41.95)
FT_D25: IC12.C11 IC27.70 | length 45.2
  Top w0.15: v1(25.45,42.35) IC27.70@25.45,43.375
  Top w0.4: v1(20.072,22.194) IC12.C11@20.472,21.794
  L3 w0.1: v1(20.072,22.194) 19.7,22.566 19.7,26.056 19.253,26.503 18.558,26.503 18.401,26.66 18.401,27.325 18.576,27.5 19.45,27.5 19.65,27.7 19.65,28.35 19.475,28.525 18.576,28.525 18.401,28.7 18.401,29.201 18.6,29.4 19.266,29.4 19.7,29.834 19.7,31.141 18.425,32.416 18.425,32.984 18.866,33.425 22.633,33.425 25.775,36.567 25.775,36.75 25.575,36.95 19.784,36.95 19.35,37.384 19.35,38.116 20.184,38.95 26.325,38.95 26.625,39.25 26.625,41.225 26.475,41.375 25.775,41.375 25.45,41.7 v1(25.45,42.35)
FT_D26: IC12.C12 IC27.71 | length 44.6
  Top w0.15: v1(25.85,41.95) IC27.71@25.85,43.375
  Top w0.4: v1(20.072,22.994) IC12.C12@20.472,22.594
  L3 w0.1: v1(20.072,22.994) 19.9,23.166 19.9,26.542 19.739,26.703 18.798,26.703 18.601,26.9 18.601,27.126 18.775,27.3 19.533,27.3 19.9,27.667 19.9,28.383 19.558,28.725 18.872,28.725 18.725,28.872 18.725,29.075 18.85,29.2 19.599,29.2 19.9,29.501 19.9,31.224 18.625,32.499 18.625,32.901 18.949,33.225 22.716,33.225 26.072,36.581 26.072,37.003 25.925,37.15 19.867,37.15 19.55,37.467 19.55,38.033 20.267,38.75 26.617,38.75 26.825,38.958 26.825,41.8 26.675,41.95 v1(25.85,41.95)
FT_D27: IC12.F12 IC27.72 | length 44.5
  Top w0.15: v1(26.25,42.35) IC27.72@26.25,43.375
  Top w0.4: v1(22.472,22.994) IC12.F12@22.872,22.594
  L3 w0.1: v1(22.472,22.994) 22.1,22.622 22.1,21.225 21.85,20.975 21.45,20.975 21.25,21.175 21.25,22.394 21.075,22.569 20.581,22.569 20.422,22.728 20.422,23.139 20.1,23.461 20.1,32.7 20.375,32.975 22.749,32.975 26.55,36.776 26.55,37.179 26.379,37.35 19.95,37.35 19.75,37.55 19.75,37.95 20.35,38.55 26.7,38.55 27.025,38.875 27.025,42.186 26.861,42.35 v1(26.25,42.35)
FT_D28: IC12.G13 IC27.73 | length 46.3
  Top w0.15: IC12.G13@23.672,23.394 25.078,24.8 27.105,24.8 27.75,25.445 27.75,25.964 27.536,26.178 21.644,26.178 20.375,27.448 20.375,31.986 21.914,33.525 25.464,33.525 26.475,34.536 26.475,35.3 26.05,35.725 20.4,35.725 19.775,36.35 19.775,37.386 20.439,38.05 26.25,38.05 26.65,38.45 IC27.73@26.65,43.375
FT_D29: IC12.H13 IC27.74 | length 46.7
  Top w0.15: IC12.H13@24.472,23.394 25.628,24.55 27.209,24.55 28.35,25.691 28.35,26.15 28.072,26.428 21.748,26.428 20.625,27.551 20.625,31.882 22.018,33.275 25.568,33.275 26.725,34.432 26.725,35.404 26.154,35.975 20.504,35.975 20.025,36.454 20.025,37.282 20.543,37.8 26.754,37.8 27.05,38.096 IC27.74@27.05,43.375
FT_D30: IC12.J13 IC27.75 | length 46.4
  Top w0.15: IC12.J13@25.272,23.394 26.153,24.275 27.316,24.275 28.6,25.559 28.6,26.254 28.175,26.678 21.851,26.678 20.875,27.655 20.875,31.779 22.121,33.025 25.671,33.025 26.975,34.329 26.975,35.6 26.35,36.225 20.607,36.225 20.275,36.557 20.275,37.179 20.646,37.55 27.05,37.55 27.45,37.95 IC27.75@27.45,43.375
FT_D31: IC12.L13 IC27.76 | length 46.7
  Top w0.15: IC12.L13@26.872,23.394 28.87,25.392 28.87,26.38 28.322,26.928 21.955,26.928 21.125,27.758 21.125,31.675 22.225,32.775 25.775,32.775 28.125,35.125 28.125,35.875 27.525,36.475 20.711,36.475 20.525,36.661 20.525,37.075 20.75,37.3 27.25,37.3 27.85,37.9 IC27.76@27.85,43.375
FT_OEn: IC12.J9 IC27.13 | length 45
  Top w0.15: IC27.13@28.75,49.075 v1(30.075,49.075)
  Top w0.4: IC12.J9@25.272,20.194 v1(25.672,20.594)
  L4 w0.1: v1(25.672,20.594) 25.25,21.016 25.25,21.467 25.627,21.844 25.817,21.844 26.05,22.077 26.05,24.9 30.7,29.55 30.7,30.425 30.7,30.589 ccw(c30.396,30.589) 30.396,30.893 29.92,30.893 cw(c29.92,31.197) 29.616,31.197 cw(c29.92,31.197) 29.92,31.501 30.396,31.501 ccw(c30.396,31.805) 30.7,31.805 ccw(c30.396,31.805) 30.396,32.109 29.92,32.109 cw(c29.92,32.413) 29.616,32.413 cw(c29.92,32.413) 29.92,32.717 30.396,32.717 ccw(c30.396,33.021) 30.7,33.021 ccw(c30.396,33.021) 30.396,33.325 30.104,33.325 cw(c30.104,33.629) 29.8,33.629 cw(c30.104,33.629) 30.104,33.933 30.396,33.933 ccw(c30.396,34.237) 30.7,34.237 ccw(c30.396,34.237) 30.396,34.541 30.104,34.541 cw(c30.104,34.845) 29.8,34.845 cw(c30.104,34.845) 30.104,35.149 30.396,35.149 ccw(c30.396,35.453) 30.7,35.453 ccw(c30.396,35.453) 30.396,35.757 30.104,35.757 cw(c30.104,36.061) 29.8,36.061 cw(c30.104,36.061) 30.104,36.365 30.396,36.365 ccw(c30.396,36.669) 30.7,36.669 ccw(c30.396,36.669) 30.396,36.973 30.104,36.973 cw(c30.104,37.277) 29.8,37.277 cw(c30.104,37.277) 30.104,37.581 30.396,37.581 ccw(c30.396,37.885) 30.7,37.885 ccw(c30.396,37.885) 30.396,38.189 29.887,38.189 cw(c29.887,38.493) 29.583,38.493 cw(c29.887,38.493) 29.887,38.797 30.396,38.797 ccw(c30.396,39.101) 30.7,39.101 ccw(c30.396,39.101) 30.396,39.405 29.887,39.405 cw(c29.887,39.709) 29.583,39.709 cw(c29.887,39.709) 29.887,40.013 30.396,40.013 ccw(c30.396,40.317) 30.7,40.317 30.7,40.621 30.7,40.925 30.7,48.45 v1(30.075,49.075)
FT_RDn: IC12.D12 IC27.12 | length 44.9
  Top w0.15: v1(27.575,48.675) IC27.12@28.75,48.675
  Top w0.4: v1(20.872,22.994) IC12.D12@21.272,22.594
  L3 w0.1: v1(20.872,22.994) 20.3,23.566 20.3,32.509 20.566,32.775 23.067,32.775 27.225,36.933 27.225,43.646 ; 27.221,43.646 26.891,43.976 26.601,43.976 26.275,43.65 26.275,43 26,42.725 24.95,42.725 24.675,43 24.675,43.467 25.05,43.842 25.05,44.569 25.8,45.319 25.8,46 26.05,46.25 26.743,46.25 26.968,46.475 26.968,47.107 26.725,47.35 26.125,47.35 25.8,47.675 25.8,51.06 26.015,51.275 26.8,51.275 27.016,51.059 27.016,49.234 v1(27.575,48.675)
FT_RESETn: C181.1 IC19.5 IC27.15 R107.1 | length 59.5
  Top w0.15: IC27.15@28.75,49.875 v1(30.075,49.875) 30.3,49.875 C181.1@30.775,50.35
  Bottom w0.2: IC19.5@18.5,87.025 20.525,87.025 20.95,86.6 22.562,86.6 24.5,84.663 24.5,77 19.575,72.075 19.575,67.952 21.402,66.125 27.576,66.125 31.85,61.851 31.85,58.978 28.7,55.828 28.7,52.3 29.475,51.525 30.55,51.525 31.025,51.05 31.025,50.425 30.475,49.875 ; v1@30.075,49.975 v1(30.075,49.875) 30.475,49.875 ; R107.1@30.825,48.9 30.475,49.25 30.475,49.875
FT_RXFn: IC12.K12 IC27.9 | length 44.9
  Top w0.15: IC27.9@28.75,47.475 29.638,47.475 v1(30.063,47.9)
  Top w0.4: IC12.K12@26.072,22.594 v1(26.472,22.994)
  L3 w0.1: v1(26.472,22.994) 25.872,23.594 25.872,25.389 26.272,25.789 26.272,26.1 26.272,26.364 26.272,26.668 cw(c26.576,26.668) 26.576,26.972 29.016,26.972 ccw(c29.016,27.276) 29.32,27.276 ccw(c29.016,27.276) 29.016,27.58 26.576,27.58 cw(c26.576,27.884) 26.272,27.884 cw(c26.576,27.884) 26.576,28.188 29.016,28.188 ccw(c29.016,28.492) 29.32,28.492 ccw(c29.016,28.492) 29.016,28.796 26.576,28.796 cw(c26.576,29.1) 26.272,29.1 26.272,29.497 29.604,32.829 29.604,35.99 32.125,38.511 32.125,40.567 32.472,40.914 32.472,48.686 32.108,49.05 31.175,49.05 30.063,47.938 v1(30.063,47.9)
FT_SIWUn: IC27.10 R105.1 | length 2.2
  Top w0.15: IC27.10@28.75,47.875 29.45,47.875 30.05,48.475 R105.1@30.7,48.475
FT_TXEn: IC12.J12 IC27.8 | length 45.4
  Top w0.15: IC27.8@28.75,47.075 29.8,47.075 v1(30.075,47.35)
  Top w0.4: IC12.J12@25.272,22.594 v1(25.672,22.994)
  L3 w0.1: v1(25.672,22.994) 25.672,23.436 25,24.108 25,24.8 26.072,25.872 26.072,30.231 26.399,30.559 27.051,30.559 27.467,30.975 27.467,31.626 28.107,32.266 28.759,32.266 29.404,32.912 29.404,36.073 30.9,37.569 31.083,37.752 31.083,38.416 31.317,38.65 31.75,38.65 31.925,38.825 31.925,39.3 31.775,39.45 31.3,39.45 31.083,39.667 31.083,39.9 31.258,40.075 31.828,40.075 31.925,40.172 31.925,40.65 32.272,40.997 32.272,41.25 ccw(c32.015,41.25) 32.015,41.507 31.387,41.507 cw(c31.387,41.811) 31.083,41.811 cw(c31.387,41.811) 31.387,42.115 31.968,42.115 ccw(c31.968,42.419) 32.272,42.419 ccw(c31.968,42.419) 31.968,42.723 31.387,42.723 cw(c31.387,43.027) 31.083,43.027 cw(c31.387,43.027) 31.387,43.331 31.968,43.331 ccw(c31.968,43.635) 32.272,43.635 ccw(c31.968,43.635) 31.968,43.939 31.387,43.939 cw(c31.387,44.243) 31.083,44.243 cw(c31.387,44.243) 31.387,44.547 31.968,44.547 ccw(c31.968,44.851) 32.272,44.851 ccw(c31.968,44.851) 31.968,45.155 31.387,45.155 cw(c31.387,45.459) 31.083,45.459 cw(c31.387,45.459) 31.387,45.763 31.968,45.763 ccw(c31.968,46.067) 32.272,46.067 32.272,46.371 32.272,46.675 32.272,48.603 32.025,48.85 31.575,48.85 31.325,48.6 31.325,46.825 31.175,46.675 30.775,46.675 30.65,46.8 30.65,47.15 30.45,47.35 v1(30.075,47.35)
FT_VBUS: C179.1 IC27.37 R102.2 R103.1 R104.2 | length 5.8
  Top w0.2: R104.2@18.5,53.5 20.875,53.5 21.05,53.325 IC27.37@21.05,52.375
  Top w0.6: R102.2@17.4,53.1 R103.1@17.4,54.225 ; 17.417,53.5 R104.2@18.5,53.5
FT_WAKEUPn: IC12.H10 IC27.16 R106.1 | length 36.7
  Top w0.15: IC27.16@28.75,50.275 29.275,50.275 v1(30.075,51.075)
  Top w0.4: IC12.H10@24.472,20.994 v1(24.872,21.394)
  L4 w0.1: v1(24.872,21.394) 25.275,21.797 25.275,24.414 29.417,28.556 29.417,33.458 29.6,33.642 29.6,37.842 29.383,38.058 29.383,40.825 30.5,41.942 30.5,48.096 29.675,48.921 29.675,50.675 v1(30.075,51.075)
  Bottom w0.2: R106.1@28.55,50.475 29.15,51.075 v1(30.075,51.075)
FT_WRn: IC12.E12 IC27.11 | length 45.2
  Top w0.15: v1(27.65,47.975) 27.95,48.275 IC27.11@28.75,48.275
  Top w0.4: v1(21.672,22.994) IC12.E12@22.072,22.594
  L3 w0.1: v1(21.672,22.994) 21.222,23.444 20.727,23.444 20.522,23.649 20.522,23.95 20.522,24.254 cw(c20.826,24.254) 20.826,24.558 21.168,24.558 ccw(c21.168,24.862) 21.472,24.862 ccw(c21.168,24.862) 21.168,25.166 20.826,25.166 cw(c20.826,25.47) 20.522,25.47 cw(c20.826,25.47) 20.826,25.774 21.168,25.774 ccw(c21.168,26.078) 21.472,26.078 ccw(c21.168,26.078) 21.168,26.382 20.826,26.382 cw(c20.826,26.686) 20.522,26.686 cw(c20.826,26.686) 20.826,26.99 21.168,26.99 ccw(c21.168,27.294) 21.472,27.294 ccw(c21.168,27.294) 21.168,27.598 20.826,27.598 cw(c20.826,27.902) 20.522,27.902 cw(c20.826,27.902) 20.826,28.206 21.168,28.206 ccw(c21.168,28.51) 21.472,28.51 ccw(c21.168,28.51) 21.168,28.814 20.826,28.814 cw(c20.826,29.118) 20.522,29.118 cw(c20.826,29.118) 20.826,29.422 21.168,29.422 ccw(c21.168,29.726) 21.472,29.726 ccw(c21.168,29.726) 21.168,30.03 20.826,30.03 cw(c20.826,30.334) 20.522,30.334 cw(c20.826,30.334) 20.826,30.638 21.204,30.638 ccw(c21.204,30.942) 21.508,30.942 ccw(c21.204,30.942) 21.204,31.246 20.826,31.246 cw(c20.826,31.55) 20.522,31.55 20.522,32.272 20.825,32.575 23.15,32.575 27.425,36.85 27.425,37.45 27.425,37.729 cw(c27.729,37.729) 27.729,38.033 27.796,38.033 ccw(c27.796,38.337) 28.1,38.337 ccw(c27.796,38.337) 27.796,38.641 27.729,38.641 cw(c27.729,38.945) 27.425,38.945 cw(c27.729,38.945) 27.729,39.249 27.796,39.249 ccw(c27.796,39.553) 28.1,39.553 ccw(c27.796,39.553) 27.796,39.857 27.729,39.857 cw(c27.729,40.161) 27.425,40.161 cw(c27.729,40.161) 27.729,40.465 27.796,40.465 ccw(c27.796,40.769) 28.1,40.769 ccw(c27.796,40.769) 27.796,41.073 27.729,41.073 cw(c27.729,41.377) 27.425,41.377 cw(c27.729,41.377) 27.729,41.681 27.796,41.681 ccw(c27.796,41.985) 28.1,41.985 ccw(c27.796,41.985) 27.796,42.289 27.729,42.289 cw(c27.729,42.593) 27.425,42.593 cw(c27.729,42.593) 27.729,42.897 27.796,42.897 ccw(c27.796,43.201) 28.1,43.201 ccw(c27.796,43.201) 27.796,43.505 27.729,43.505 cw(c27.729,43.809) 27.425,43.809 cw(c27.729,43.809) 27.729,44.113 27.796,44.113 ccw(c27.796,44.417) 28.1,44.417 ccw(c27.796,44.417) 27.796,44.721 27.729,44.721 cw(c27.729,45.025) 27.425,45.025 27.425,47.75 v1(27.65,47.975)
FT_XTAL_XI: C180.1 IC27.21 XT2.3 | length 7.2
  Top w0.2: IC27.21@27.45,52.375 27.45,52.85 cw(c28.05,52.85) 28.05,53.45 29.75,53.45 cw(c29.75,51.725) v1(31.475,51.725)
  Bottom w0.2: C180.1@31.475,51.225 v1(31.475,51.725) ; v1@31.488,51.713 XT2.3@32.125,52.35
FT_XTAL_XO: C182.1 IC27.22 XT2.1 | length 7.5
  Top w0.2: IC27.22@27.05,52.375 27.05,52.95 cw(c27.925,52.95) 27.925,53.825 29.975,53.825 ccw(c29.975,55.125) v1(31.275,55.125)
  Bottom w0.2: XT2.1@30.625,54.5 31.262,55.137 v1@31.275,55.15 ; v1(31.275,55.125) v1@31.275,55.15 ; C182.1@31.275,55.625 v1@31.275,55.15